# Altium PCB IPMC_TestBoard_PCB.PcbDoc (part 1 of 3)
Units mil, origin at the board's own origin, x right, y up, seen from the top; angles counter-clockwise.
Board outline 5433.07 x 5551.18 mil, 4 copper layers (Component Side, Ground Plane, Power Plane, Solder Side), stack 61.434 mil thick; 87 components, 228 nets, 1067 pads, 580 vias.
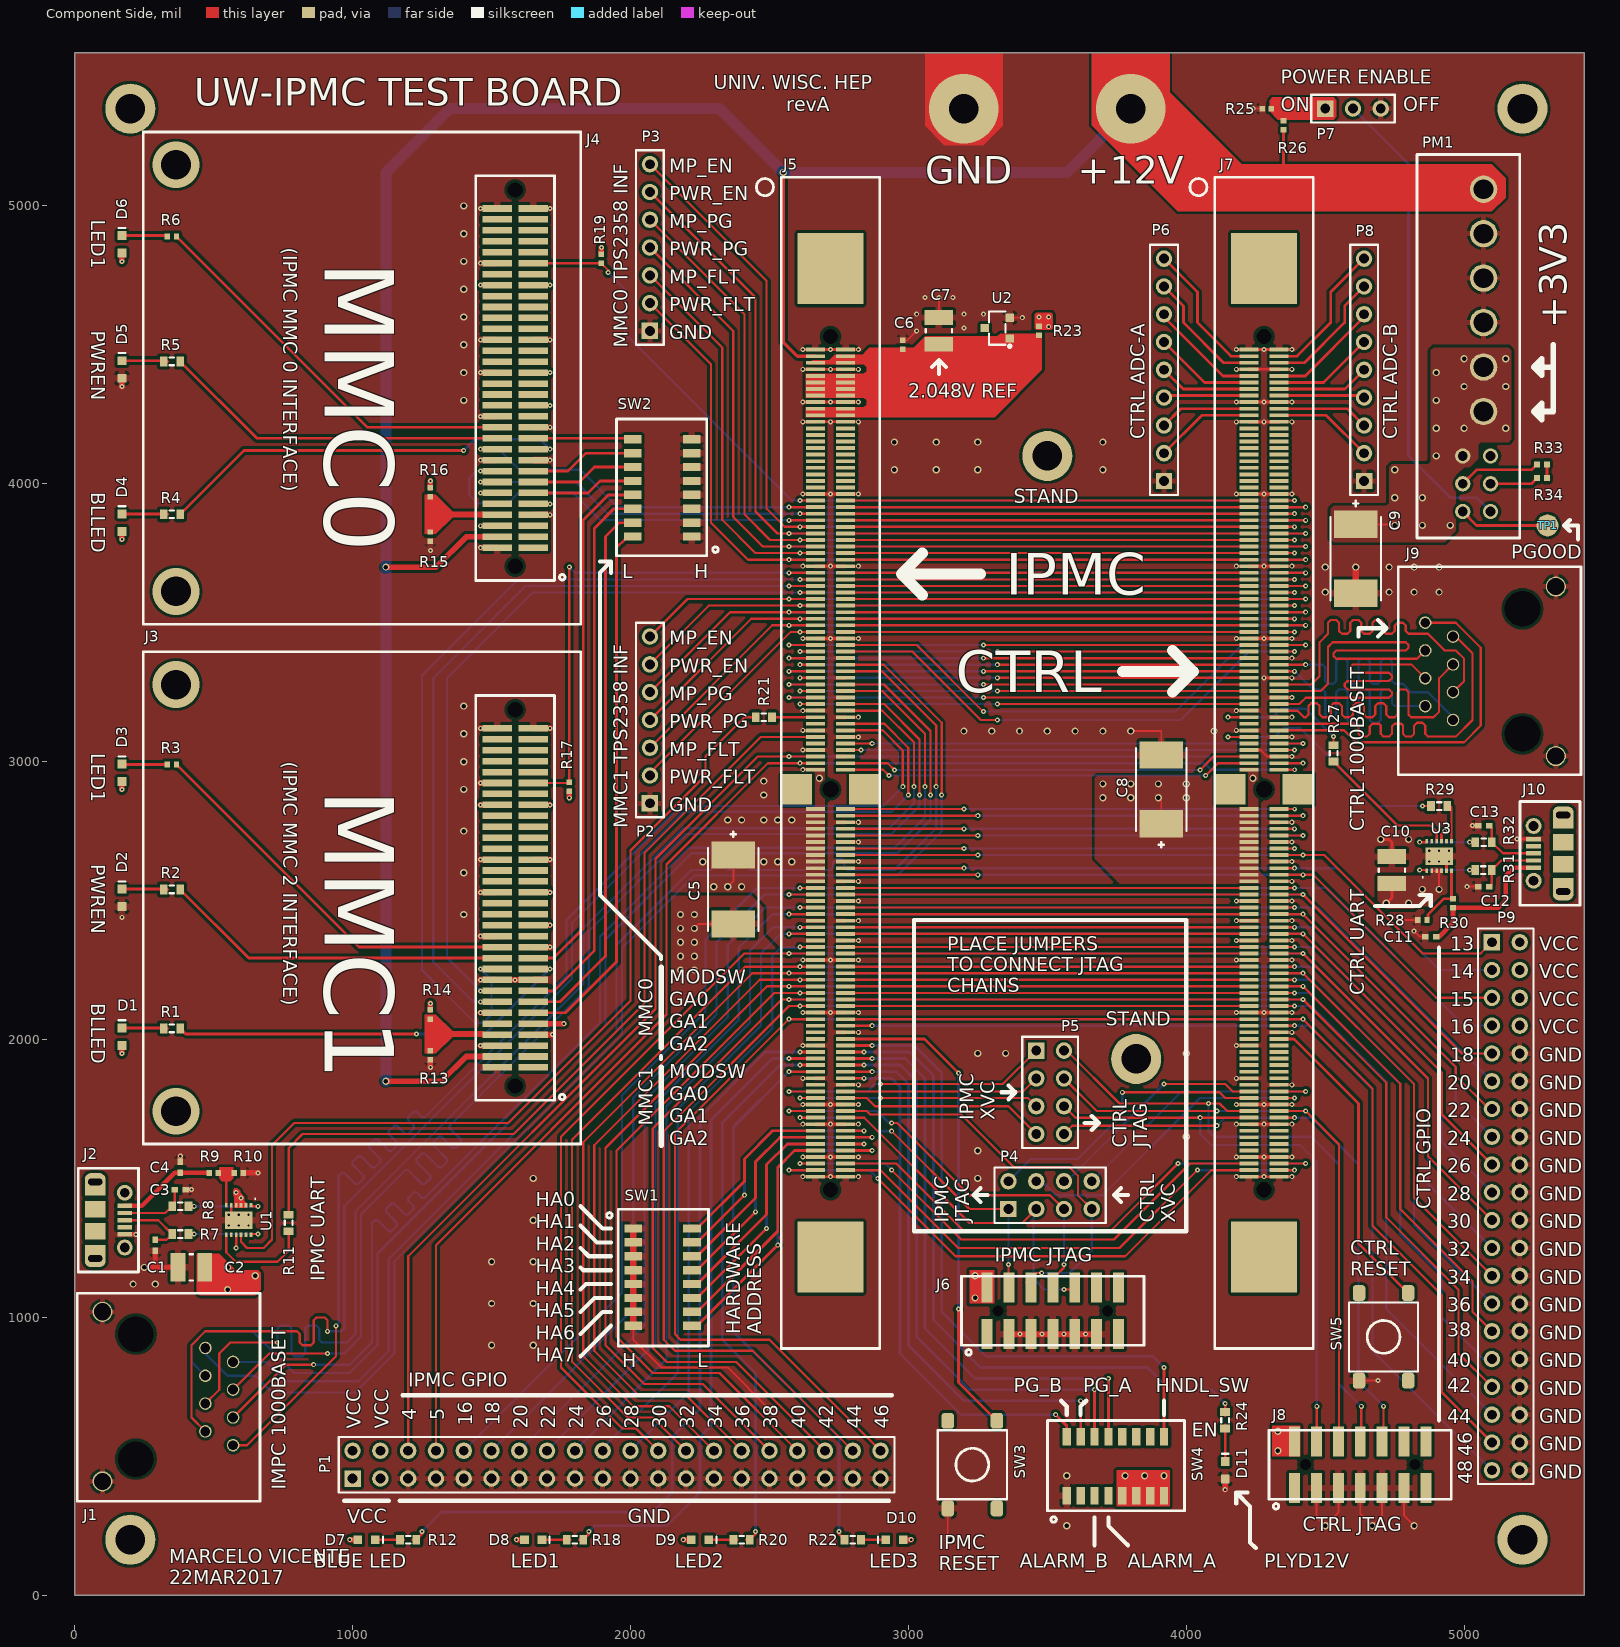
[diagram p0: Component Side view]
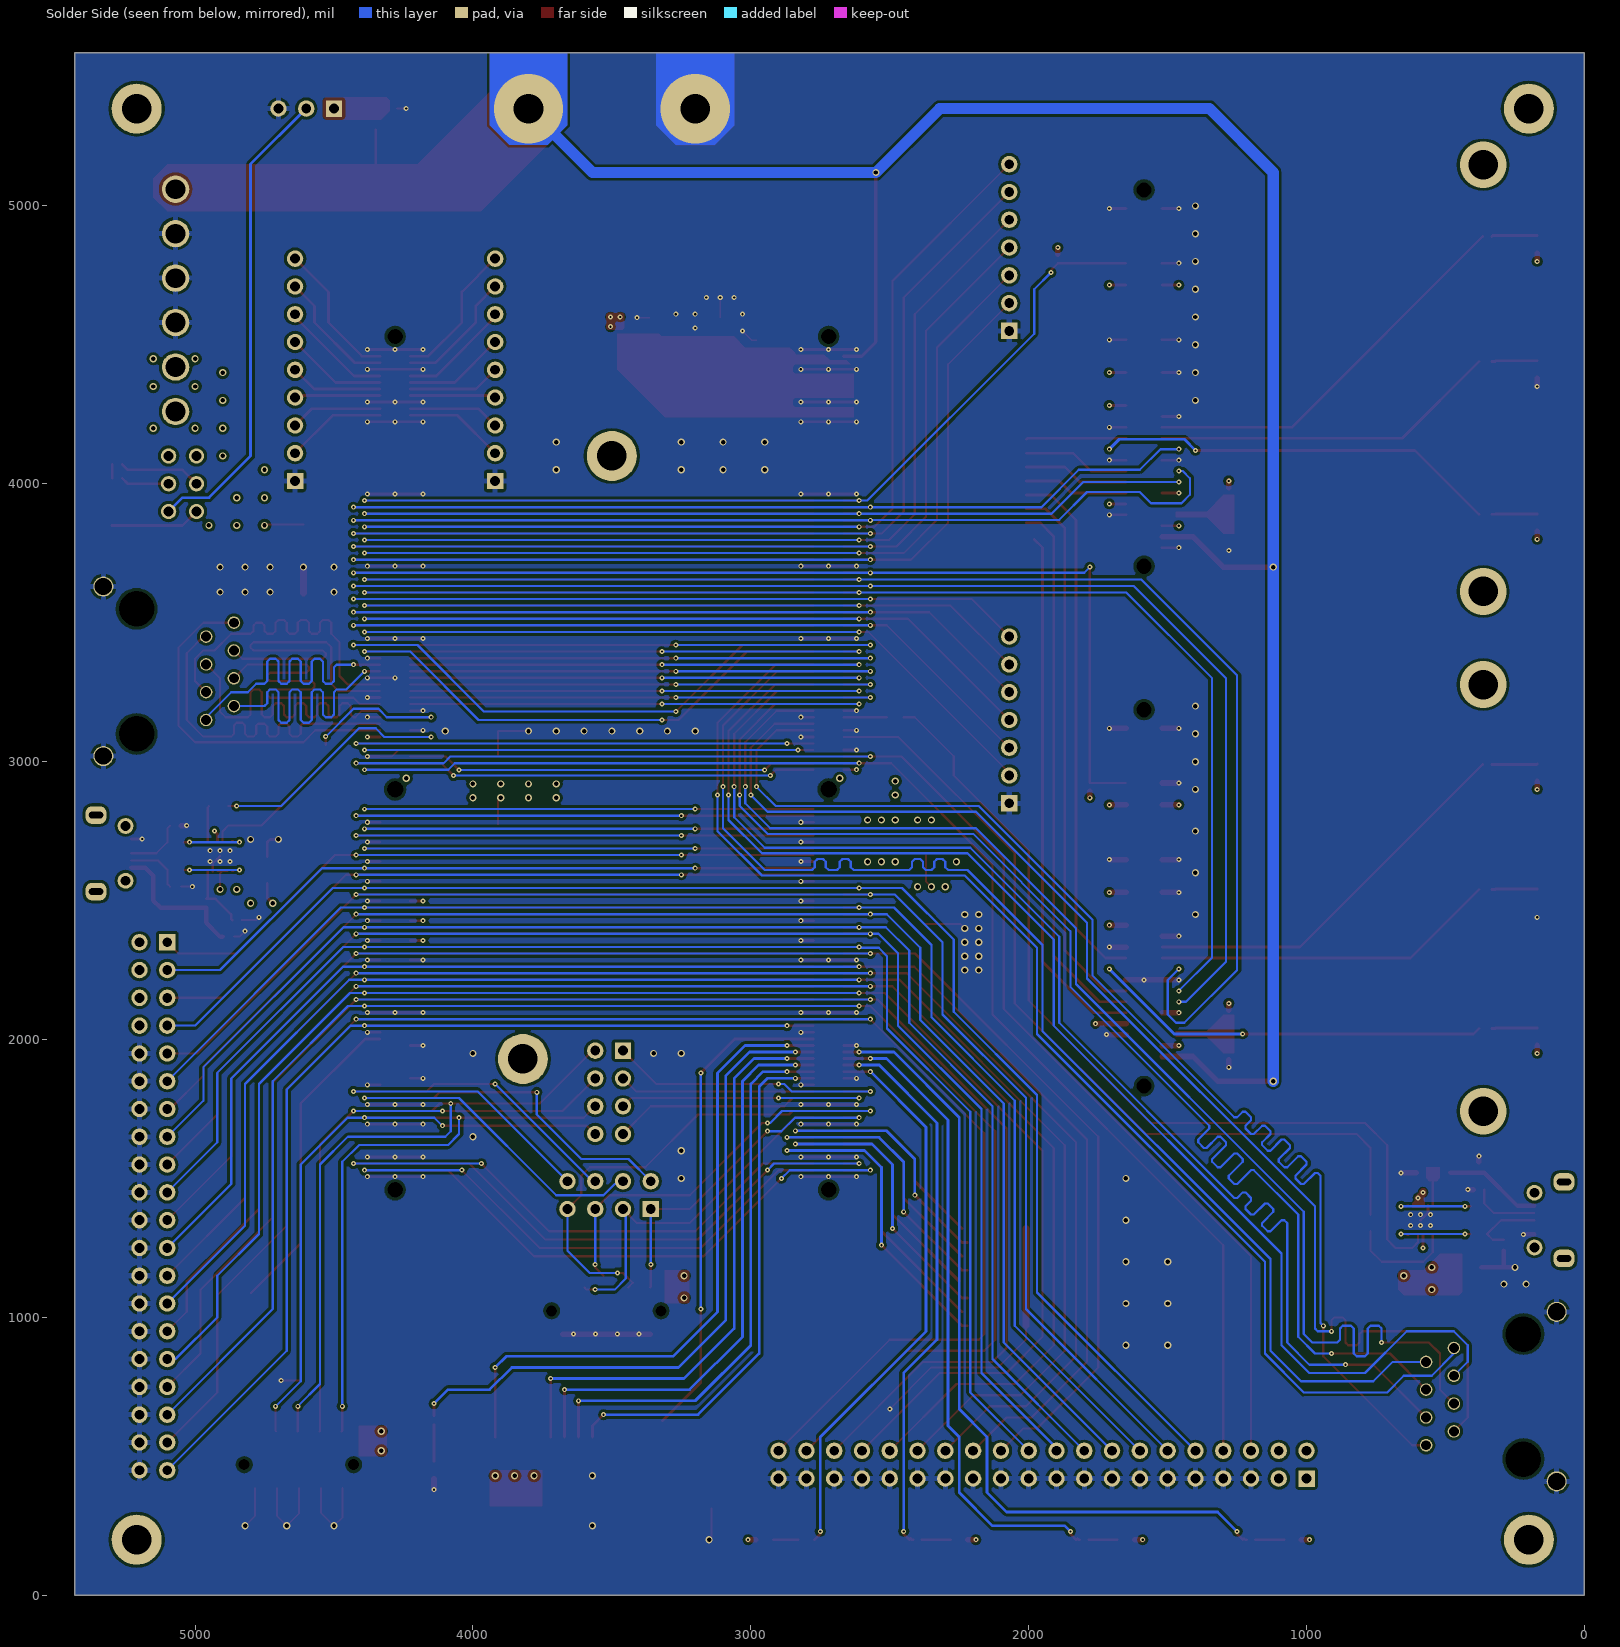
[diagram p1: Solder Side view, seen from below]
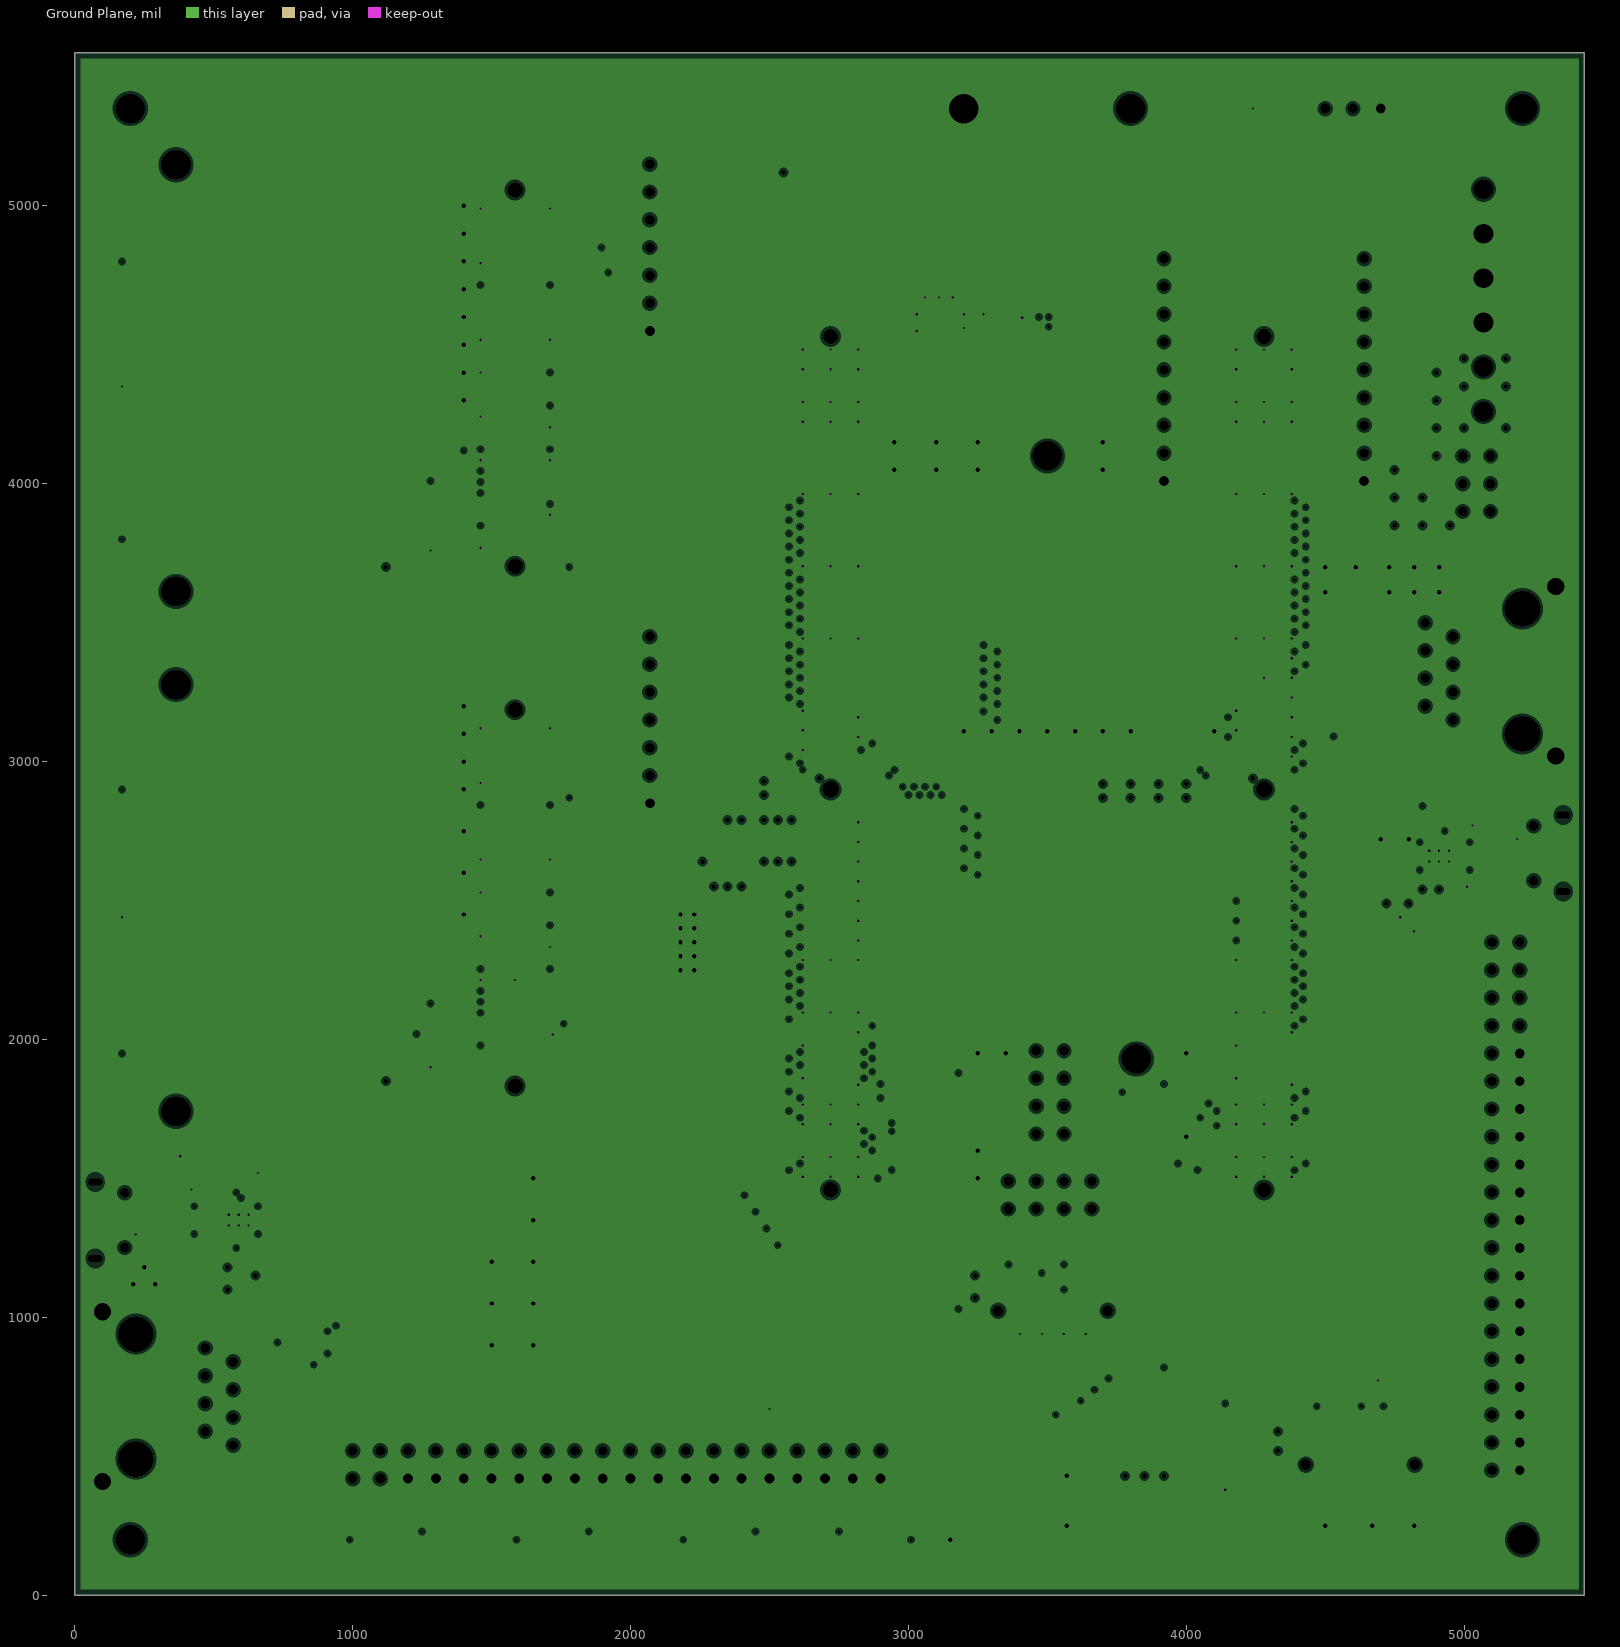
[diagram p2: Ground Plane, clearances drawn from the general rule]
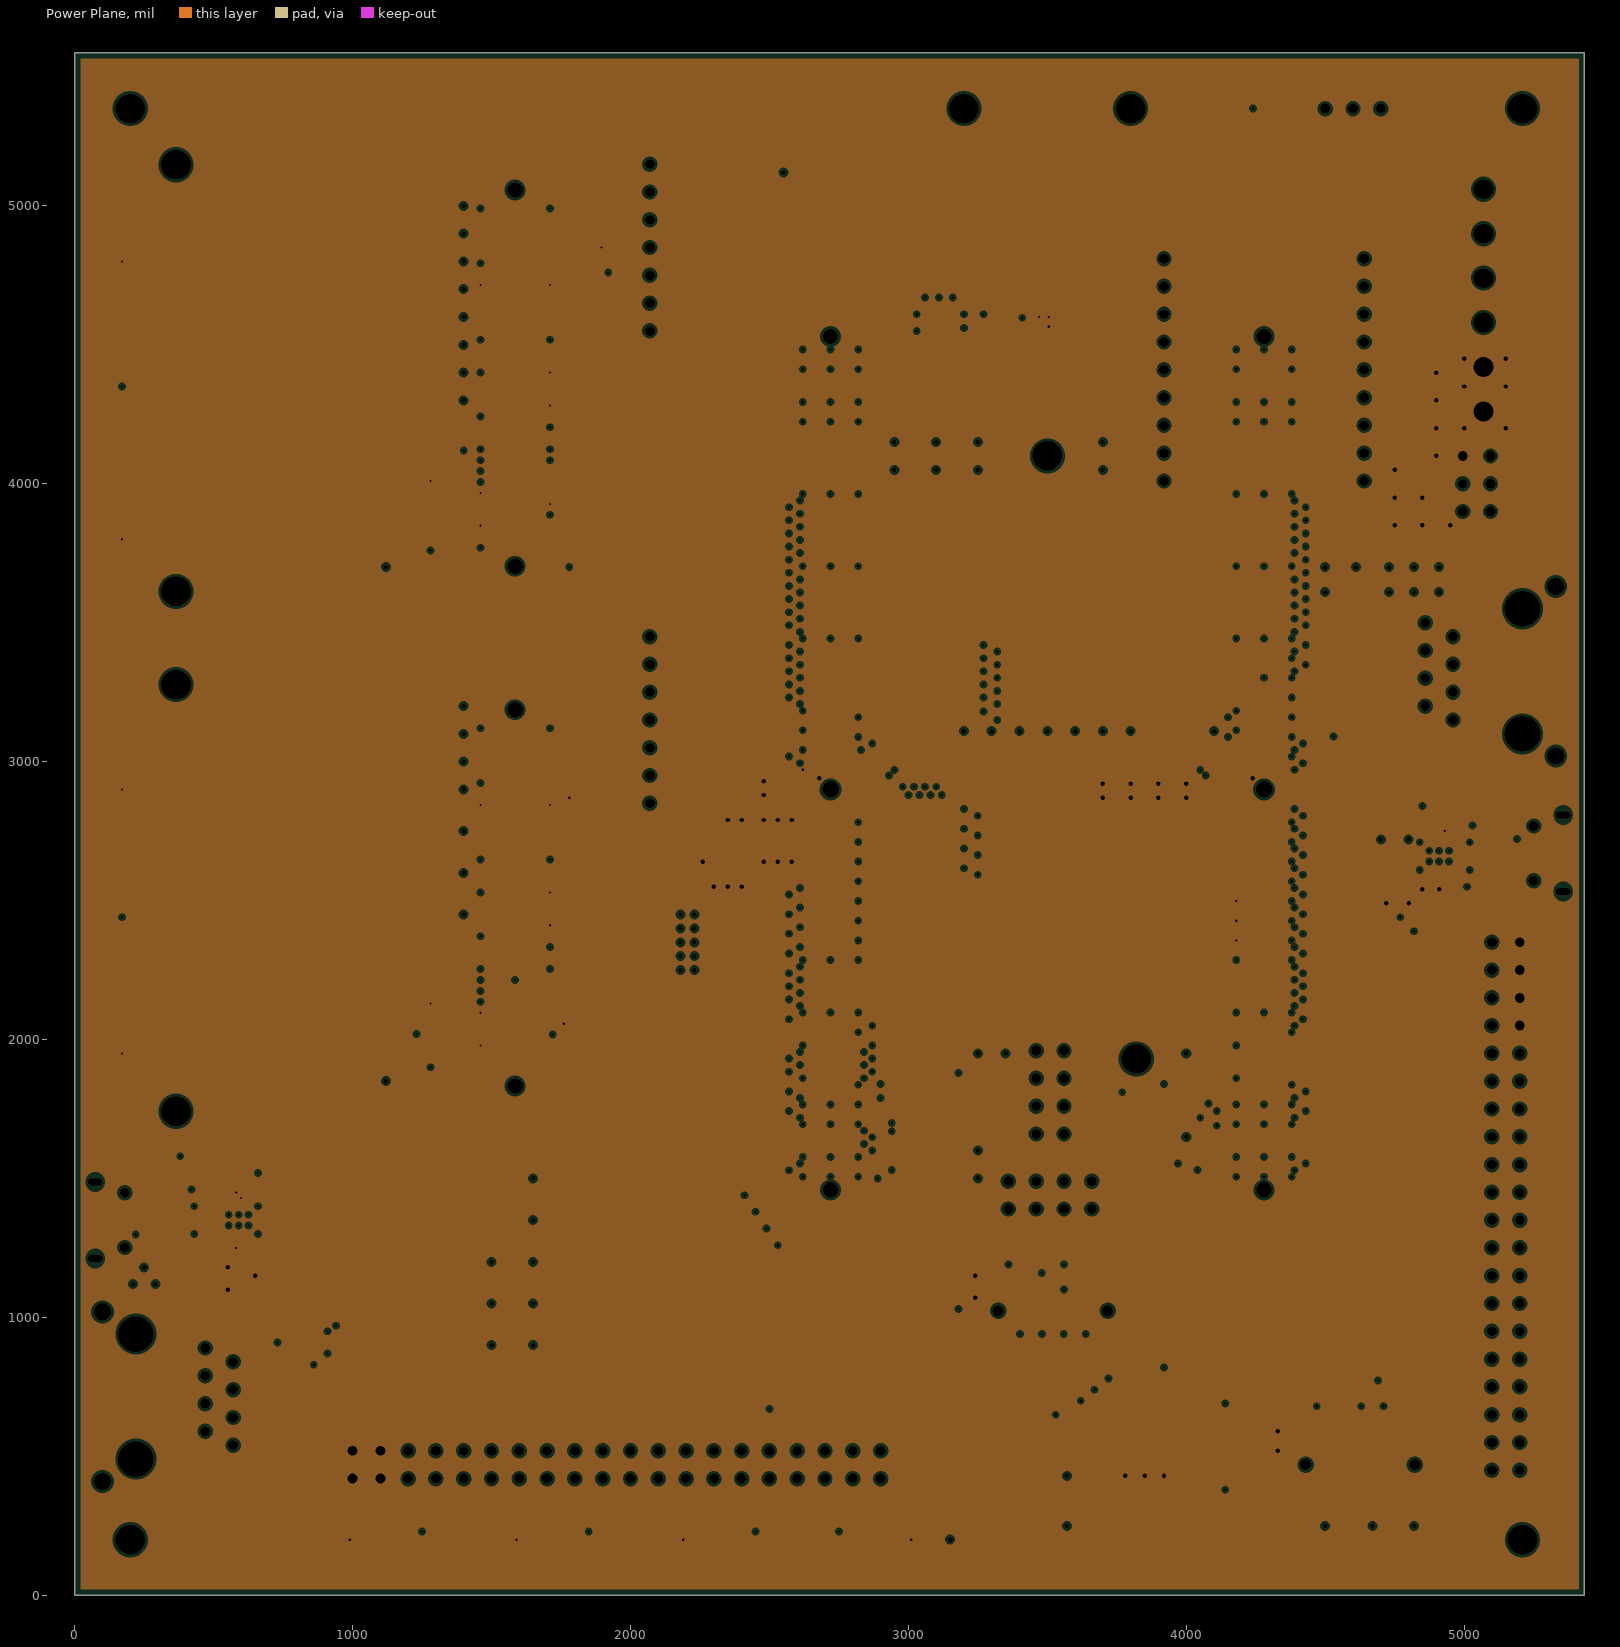
[diagram p3: Power Plane, clearances drawn from the general rule]
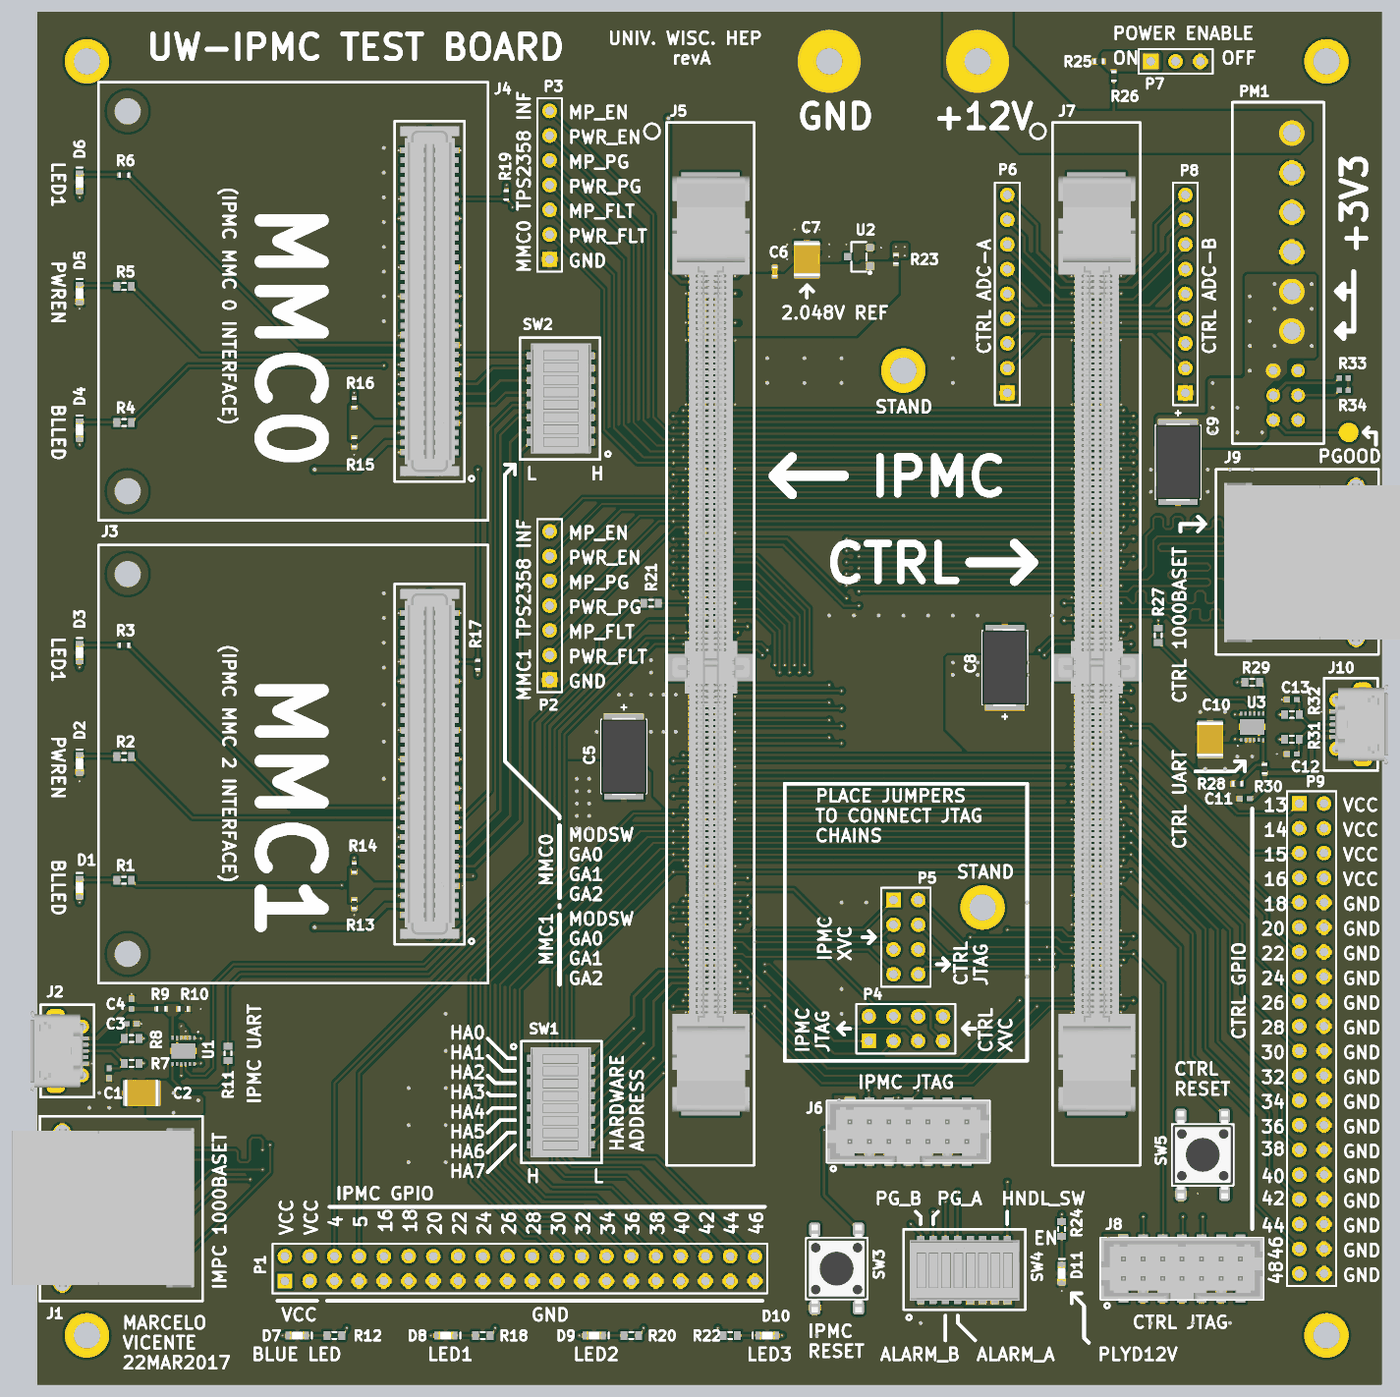
[diagram p6: 3D render of the assembled board from above, using the file's embedded part models]

## Layer stack, top to bottom
Top Solder: solder mask 0.4, Solder Resist, Dk 3.5
Component Side: signal copper 2.8
Dielectric 1: core 22, FR-4, Dk 4.8
Ground Plane: plane copper 1.417, net GND
Dielectric 3: prepreg 9, Dk 4.2
Power Plane: plane copper 1.417, net VCC3.3
Dielectric 4: core 22, Dk 4.2
Solder Side: signal copper 2.8
Bottom Solder: solder mask 0.4, Solder Resist, Dk 3.5

## Board outline
0,0 0,5551.18 5433.07,5551.18 5433.07,0

## Design rules (kind name [scope] priority, off if disabled: settings)
Clearance Clearance_Poly [InPoly] p1: gap=10 ignorepadtopadclearanceinfootprint=FALSE
Clearance Clearance_50ohm [InNetClass('50OHM')] p2: gap=7 ignorepadtopadclearanceinfootprint=FALSE
Clearance [All] p3: gap=6 ignorepadtopadclearanceinfootprint=FALSE
ComponentClearance [All] p1 off: gap=10 collisioncheckmode=3 verticalgap=10 showdistances=FALSE
DiffPairsRouting [All] p1: maxlimit=100 minlimit=10 mostfreqgap=20 toplayer_minwidth=6.5 toplayer_maxwidth=6.5 toplayer_prefwidth=6.5 bottomlayer_minwidth=6.5 bottomlayer_maxwidth=6.5 bottomlayer_prefwidth=6.5 maxuncoupledlength=500
FabricationTestPointUsage TestPointUsage [All] p1: valid=0 allowmultiple=FALSE
FabricationTestpoint Testpoint [All] p1: side=3 testpointundercomponent=TRUE minsize=40 maxsize=100 preferedsize=60 minholesize=0 maxholesize=40 preferedholesize=32 testpointgrid=1 allowsidetop=TRUE allowsidebottom=TRUE usegrid=TRUE gridtolerance=0.01
HoleSize [All] p1: absolutevalues=TRUE maxlimit=150 minlimit=1 maxpercent=80.000 minpercent=20.000
MatchedLengths [All] p1: tolerance=50 checknetsindiffpair=TRUE checkdiffpairvsdiffpair=FALSE checkxsignals=FALSE checkothers=FALSE
PlaneClearance [All] p1: clearance=10
PlaneConnect [All] p1: planeconnectstyle=Relief reliefexpansion=10 reliefentries=4 reliefconductorwidth=18 reliefairgap=10
PolygonConnect PolygonConnect_GND [InNet('GND')] p1: thpad.connectstyle=Relief thpad.reliefconductorwidth=20 thpad.reliefentries=4 thpad.polygonreliefangle="90 Angle" thpad.airgapwidth=10 smdpad.connectstyle=Relief smdpad.reliefconductorwidth=25 smdpad.reliefentries=4 smdpad.polygonreliefangle="90 Angle" smdpad.airgapwidth=10 via.connectstyle=Direct via.reliefconductorwidth=10 via.reliefentries=4 via.polygonreliefangle="90 Angle" via.airgapwidth=10
PolygonConnect [All] p2: connectstyle=Direct reliefconductorwidth=10 reliefentries=4 polygonreliefangle="90 Angle" airgapwidth=10
RoutingVias [All] p1: holewidth=8 width=18 viastyle="Through Hole" minholewidth=7 minwidth=10 maxholewidth=35 maxwidth=40
SilkToSolderMaskClearance SilkscreenOverComponentPads [IsPad] p1: minsilkscreentomaskgap=10 clearancetoexposedcopper=TRUE
SolderMaskExpansion [All] p1: expansion=2
Width Width_50ohm [InNetClass('50OHM')] p1: maxlimit=8 minlimit=8 preferedwidth=8
Width Width_Power [InNetClass('POWER')] p2: maxlimit=50 minlimit=7 preferedwidth=10
Width [All] p3: maxlimit=10 minlimit=10 preferedwidth=10
22 further rules are at their usual default settings.

## Classes and differential pairs
net class ETH: CTRL_GB_A_N CTRL_GB_A_P CTRL_GB_B_N CTRL_GB_B_P CTRL_GB_C_N CTRL_GB_C_P CTRL_GB_D_N CTRL_GB_D_P IPMC_GB_A_N IPMC_GB_A_P IPMC_GB_B_N IPMC_GB_B_P IPMC_GB_C_N IPMC_GB_C_P IPMC_GB_D_N IPMC_GB_D_P
component class UART: C1 C2 C3 C4 C10 C11 C12 C13 J2 J10 R7 R8 R9 R10 R11 R21 R27 R28 R29 R30 R31 R32 U1 U3
net class POWER: +12V GND VCC3.3 VCC_USB0 VCC_USB1
net class 50OHM: \ENABLE_1 \ENABLE_3 \ENABLE_4 \MMC0_ENAIN \MMC0_PS1 \MMC1_ENAIN \MMC1_PS1 \PS1_1 \PS1_3 \PS1_4 CTRL_GB_A_N CTRL_GB_A_P CTRL_GB_B_N CTRL_GB_B_P CTRL_GB_C_N CTRL_GB_C_P CTRL_GB_D_N CTRL_GB_D_P CTRL_JMST_TCK CTRL_JMST_TDI CTRL_JMST_TDO CTRL_JMST_TMS CTRL_JTAG_TCK CTRL_JTAG_TDI CTRL_JTAG_TDO CTRL_JTAG_TMS CTRL_UART_RX CTRL_UART_TX IPMB-A_SCL IPMB-A_SDA IPMB-B_SCL IPMB-B_SDA IPMB-L_SCL_1 IPMB-L_SCL_3 IPMB-L_SCL_4 IPMB-L_SDA_1 IPMB-L_SDA_3 IPMB-L_SDA_4 IPMC_GB_A_N IPMC_GB_A_P IPMC_GB_B_N IPMC_GB_B_P IPMC_GB_C_N IPMC_GB_C_P IPMC_GB_D_N IPMC_GB_D_P IPMC_GPIO_0 IPMC_GPIO_1 IPMC_GPIO_2 IPMC_GPIO_3 IPMC_GPIO_4 IPMC_GPIO_5 IPMC_GPIO_6 IPMC_GPIO_7 IPMC_GPIO_8 IPMC_GPIO_9 IPMC_GPIO_10 IPMC_GPIO_11 IPMC_GPIO_12 IPMC_GPIO_13 IPMC_GPIO_14 IPMC_GPIO_15 IPMC_GPIO_16 IPMC_GPIO_17 IPMC_GPIO_18 IPMC_GPIO_19 IPMC_GPIO_20 IPMC_GPIO_21 IPMC_GPIO_22 IPMC_GPIO_23 IPMC_GPIO_24 IPMC_GPIO_25 IPMC_GPIO_26 IPMC_GPIO_27 IPMC_GPIO_28 IPMC_GPIO_29 IPMC_GPIO_30 IPMC_GPIO_31 IPMC_GPIO_32 IPMC_GPIO_33 IPMC_GPIO_34 IPMC_GPIO_35 IPMC_GPIO_36 IPMC_GPIO_37 IPMC_GPIO_38 IPMC_GPIO_39 IPMC_GPIO_40 IPMC_GPIO_41 IPMC_GPIO_42 IPMC_GPIO_43 IPMC_GPIO_44 IPMC_GPIO_45 IPMC_GPIO_46 IPMC_GPIO_47 IPMC_GPIO_48 IPMC_JMST_TCK IPMC_JMST_TDI IPMC_JMST_TDO IPMC_JMST_TMS IPMC_JTAG_TCK IPMC_JTAG_TDI IPMC_JTAG_TDO IPMC_JTAG_TMS IPMC_UART_RX IPMC_UART_TX MMC0_SCL MMC0_SDA MMC1_SCL MMC1_SDA MP_ENA_0 MP_ENA_1 MP_ENA_2 MP_ENA_3 MP_ENA_4 MP_FLT_0 MP_FLT_1 MP_FLT_2 MP_FLT_3 MP_FLT_4 MP_PG_0 MP_PG_1 MP_PG_2 MP_PG_3 MP_PG_4 PWR_ENA_0 PWR_ENA_1 PWR_ENA_2 PWR_ENA_3 PWR_ENA_4 PWR_FLT_0 PWR_FLT_1 PWR_FLT_2 PWR_FLT_3 PWR_FLT_4 PWR_PG_0 PWR_PG_1 PWR_PG_2 PWR_PG_3 PWR_PG_4 USB0_D+ USB0_D- USB0_RX USB0_TX USB0DM USB0DP USB1_D+ USB1_D- USB1_RX USB1_TX USB1DM USB1DP
net class JTAG: CTRL_JMST_TCK CTRL_JMST_TDI CTRL_JMST_TDO CTRL_JMST_TMS CTRL_JTAG_TCK CTRL_JTAG_TDI CTRL_JTAG_TDO CTRL_JTAG_TMS IPMC_JMST_TCK IPMC_JMST_TDI IPMC_JTAG_TCK IPMC_JTAG_TDI
net class IPMC: \IPMC_EXT_RST IPMC_ALARM_A IPMC_ALARM_B IPMC_GB_A_N IPMC_GB_A_P IPMC_GB_B_N IPMC_GB_B_P IPMC_GB_C_N IPMC_GB_C_P IPMC_GB_D_N IPMC_GB_D_P IPMC_GPIO_4 IPMC_GPIO_5 IPMC_GPIO_6 IPMC_GPIO_7 IPMC_GPIO_16 IPMC_GPIO_19 IPMC_GPIO_21 IPMC_GPIO_23 IPMC_GPIO_25 IPMC_GPIO_27 IPMC_GPIO_28 IPMC_GPIO_29 IPMC_GPIO_30 IPMC_GPIO_31 IPMC_GPIO_33 IPMC_GPIO_35 IPMC_GPIO_37 IPMC_GPIO_39 IPMC_GPIO_41 IPMC_GPIO_43 IPMC_GPIO_45 IPMC_GPIO_47 IPMC_GPIO_48 IPMC_HA1 IPMC_HA3 IPMC_HA5 IPMC_HA7 IPMC_HNDL_SW IPMC_JMST_TCK IPMC_JMST_TDI IPMC_JTAG_TCK IPMC_JTAG_TDI IPMC_PG_A IPMC_PG_B IPMC_UART_RX IPMC_UART_TX VREF_2.048V
net class CTRL: \CTRL_EXT_RST CTRL_GB_A_N CTRL_GB_A_P CTRL_GB_B_N CTRL_GB_B_P CTRL_GB_C_N CTRL_GB_C_P CTRL_GB_D_N CTRL_GB_D_P CTRL_JMST_TCK CTRL_JMST_TDI CTRL_JMST_TDO CTRL_JMST_TMS CTRL_JTAG_TCK CTRL_JTAG_TDI CTRL_JTAG_TDO CTRL_JTAG_TMS CTRL_UART_RX CTRL_UART_TX